# Altium PCB merci.PcbDoc
Units mm, origin at the board's own origin, x right, y up, seen from the top; angles counter-clockwise.
Board outline 30 x 58 mm, 2 copper layers (Top Layer, Bottom Layer); 60 components, 50 nets, 240 pads, 81 vias.
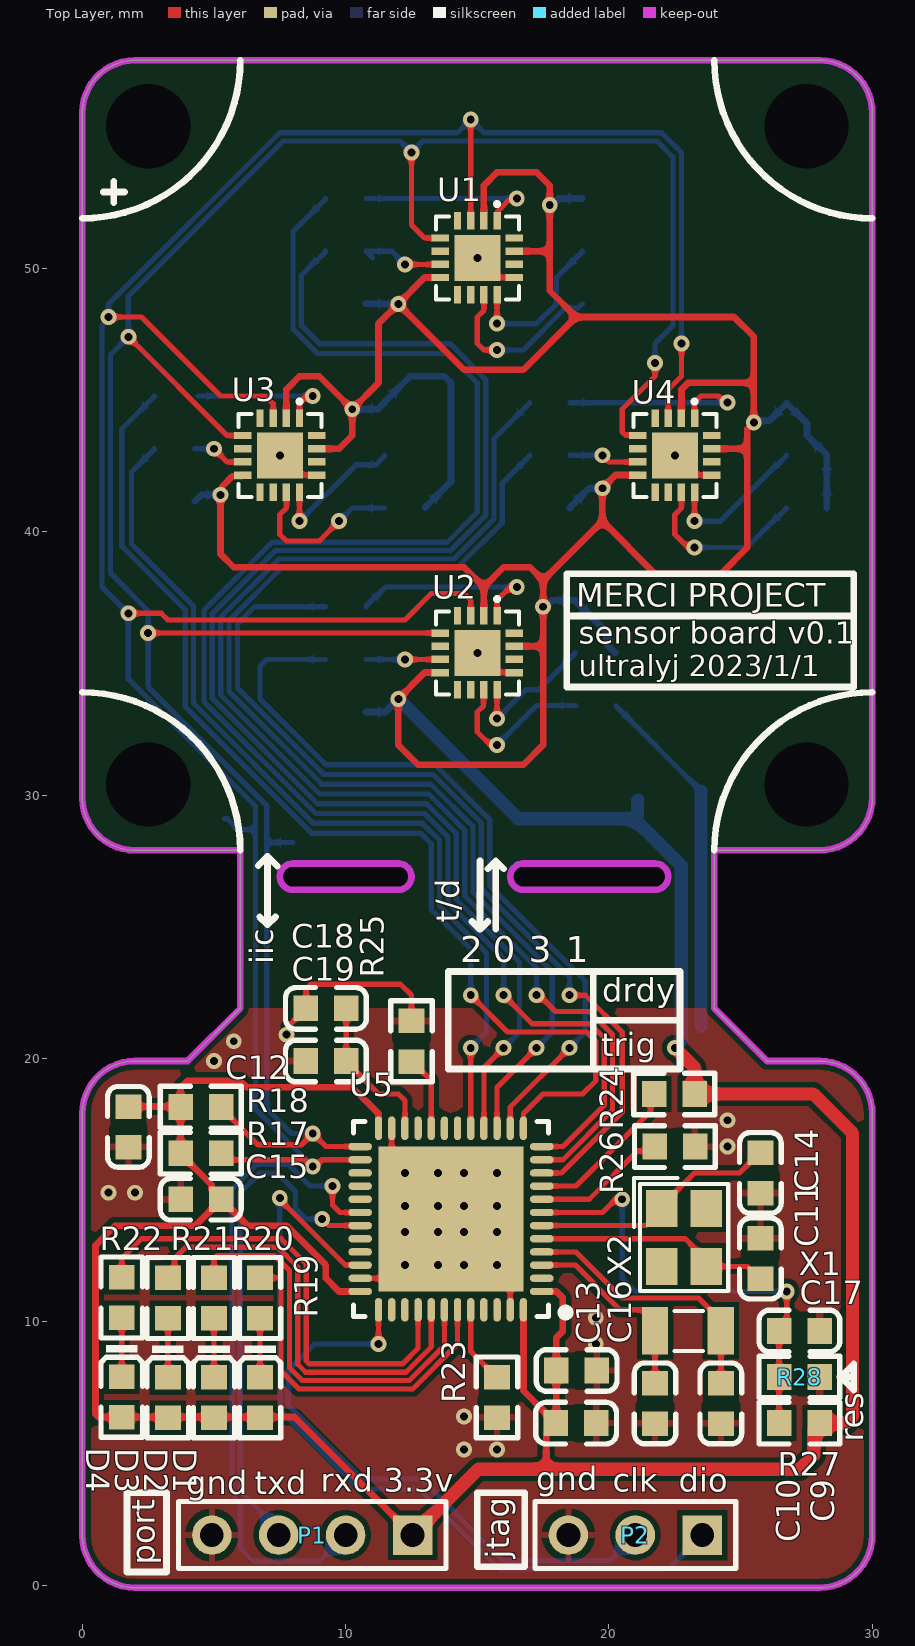
[diagram p0: Top Layer view]
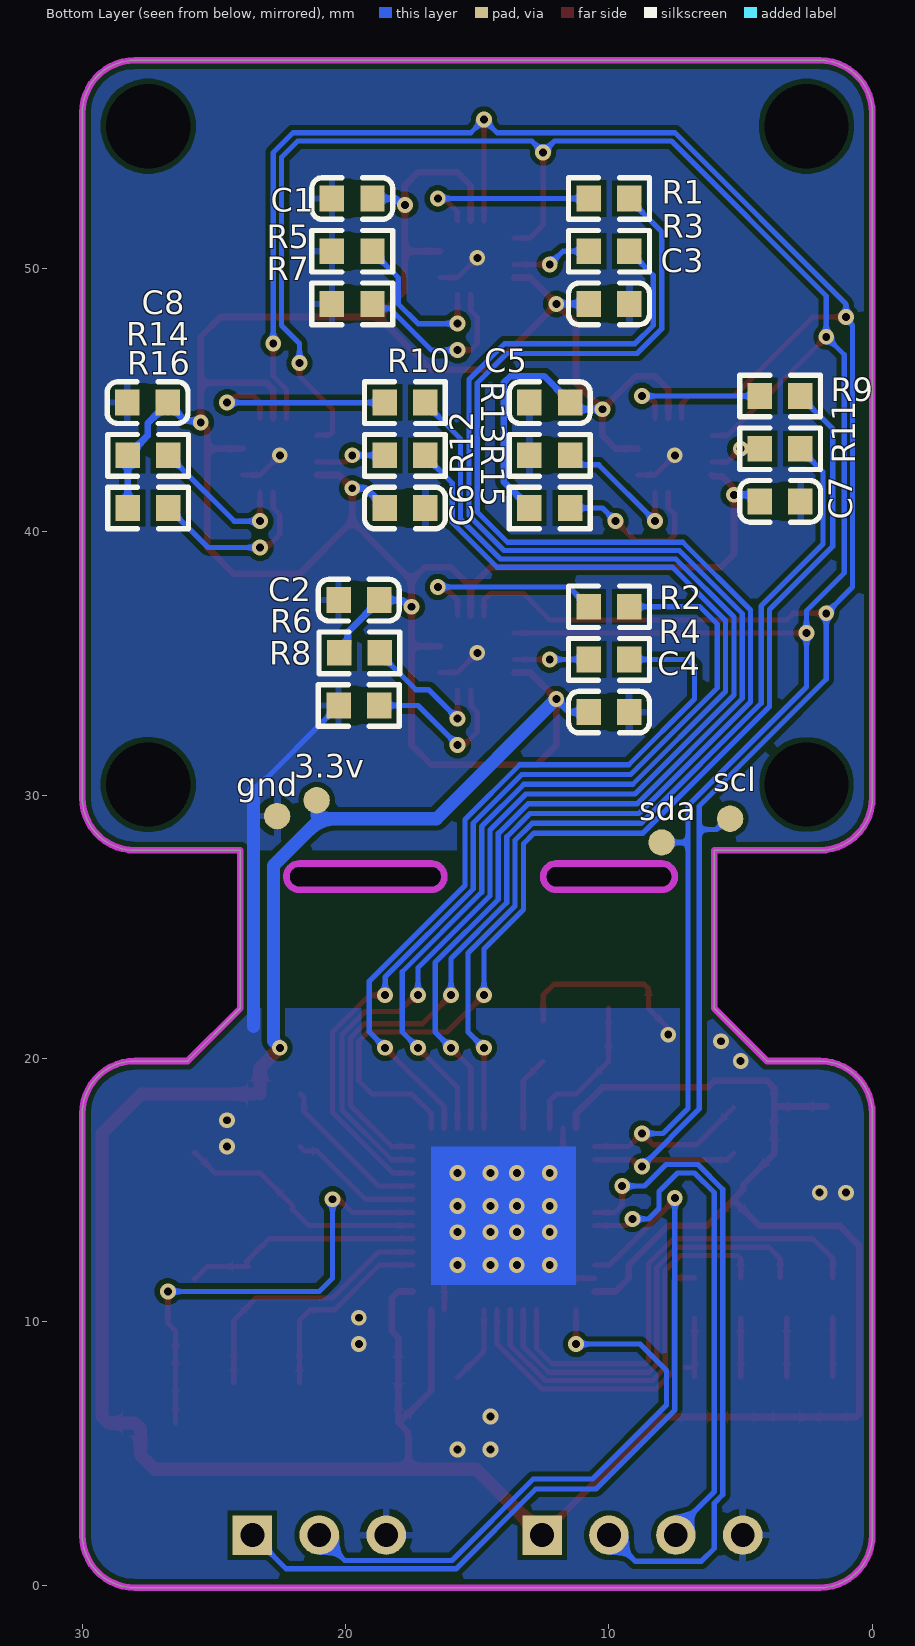
[diagram p1: Bottom Layer view, seen from below]
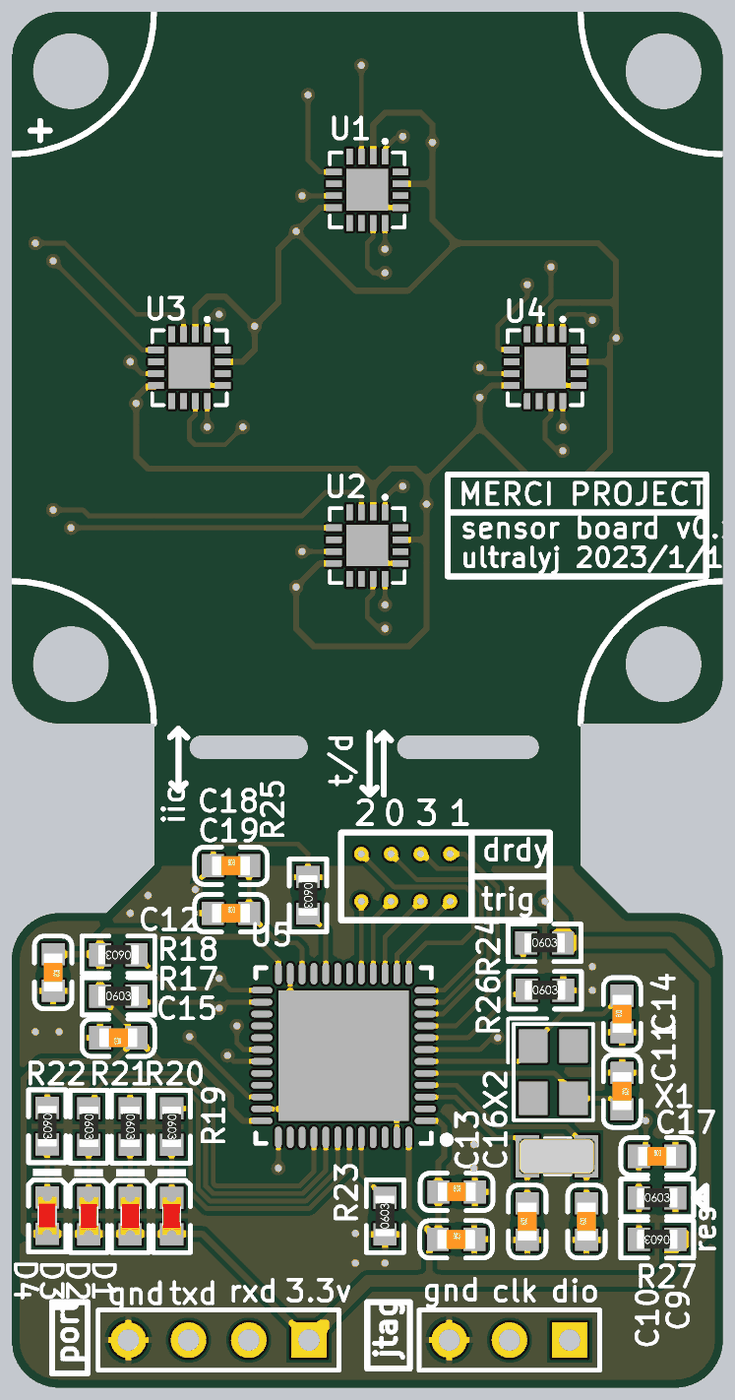
[diagram p2: 3D render of the assembled board from above, using the file's embedded part models]
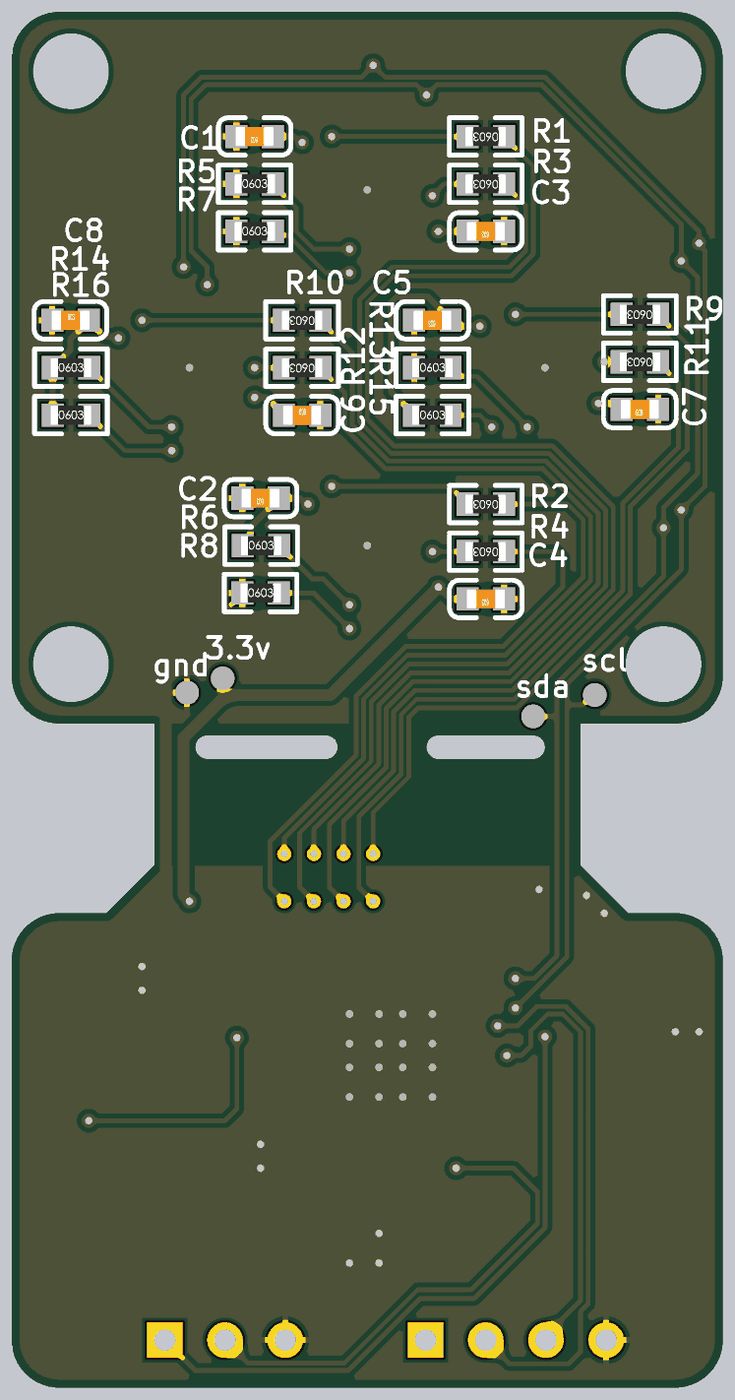
[diagram p3: 3D render of the assembled board from below, using the file's embedded part models]

## Layer stack, top to bottom
Top Solder: solder mask 0.0102, Solder Resist, Dk 3.5
Top Layer: signal copper 0.0356
Dielectric 1: dielectric 0.32, FR-4, Dk 4.8
Bottom Layer: signal copper 0.0356
Bottom Solder: solder mask 0.0102, Solder Resist, Dk 3.5

## Board outline
2,-0.1 cw(c2,1.9) 0,1.9 0,17.9 cw(c2,17.9) 2,19.9 4,19.9 6,21.9 6,27.9 2,27.9 cw(c2,29.9) 0,29.9 0,55.9 cw(c2,55.9) 2,57.9 28,57.9 cw(c28,55.9) 30,55.9 30,29.9 cw(c28,29.9) 28,27.9 24,27.9 24,21.9 26,19.9 28,19.9 cw(c28,17.9) 30,17.9 30,1.9 cw(c28,1.9) 28,-0.1
cut-out: 16.75,26.4 cw(c16.75,26.9) 16.75,27.4 21.75,27.4 cw(c21.75,26.9) 21.75,26.4
cut-out: 8,26.4 cw(c8,26.9) 8,27.4 12,27.4 cw(c12,26.9) 12,26.4

## Design rules (kind name [scope] priority, off if disabled: settings)
Clearance [All] p1: gap=0.2 ignorepadtopadclearanceinfootprint=TRUE except(0.117: Arc-Arc Arc-Track Arc-SMDPad Arc-THPad Arc-Text Arc-Hole Track-Track Track-SMDPad Track-THPad Track-Text Track-Hole SMDPad-SMDPad SMDPad-THPad SMDPad-Text SMDPad-Hole THPad-THPad THPad-Text THPad-Hole Fill-Text Fill-Hole Poly-Text Poly-Hole Region-Text Region-Hole Text-Text Text-Hole)
HoleSize [All] p1: absolutevalues=TRUE maxlimit=5 minlimit=0.025 maxpercent=80.000 minpercent=20.000
MinimumSolderMaskSliver [All] p1: minsoldermaskwidth=0
PolygonConnect [All] p1: thpad.connectstyle=Relief thpad.reliefconductorwidth=0.254 thpad.reliefentries=4 thpad.polygonreliefangle="90 Angle" thpad.airgapwidth=0.254 smdpad.connectstyle=Relief smdpad.reliefconductorwidth=0.254 smdpad.reliefentries=4 smdpad.polygonreliefangle="90 Angle" smdpad.airgapwidth=0.254 via.connectstyle=Direct via.reliefconductorwidth=0.254 via.reliefentries=4 via.polygonreliefangle="90 Angle" via.airgapwidth=0.254
RoutingVias [All] p1: holewidth=0.3 width=0.6 viastyle="Through Hole" minholewidth=0.3 minwidth=0.6 maxholewidth=0.3 maxwidth=0.6
SilkToSilkClearance [All] p1: silktosilkclearance=0
SilkToSolderMaskClearance [IsPad] p1: minsilkscreentomaskgap=0 clearancetoexposedcopper=TRUE
SolderMaskExpansion [All] p1: expansion=0.102 istentingtop=FALSE
Width [All] p1: maxlimit=0.5 minlimit=0.102 preferedwidth=0.2
26 further rules are at their usual default settings.

## Classes and differential pairs
component class merci_proc: C9 C10 C11 C12 C13 C14 C15 C16 C17 C18 C19 D2 D3 D4 gg P1 P2 R19 R20 R21 R22 R23 R24 R25 R26 R27 R28 U5 X1 X2
component class merci_main: C1 C2 C3 C4 C5 C6 C7 C8 R1 R2 R3 R4 R5 R6 R7 R8 R9 R10 R11 R12 R13 R14 R15 R16 R17 R18 U1 U2 U3 U4

## Components (designator, comment, footprint, x,y, rotation, side; value= is the part's Value field where it differs from the comment)
C1 "100nF (104) 10% 50V" LC-0603_C 19.75,52.65 r0 bottom
C2 "100nF (104) 10% 50V" LC-0603_C 19.5,37.4 r0 bottom
C3 "100nF (104) 10% 50V" LC-0603_C 10,48.65 r0 bottom
C4 "100nF (104) 10% 50V" LC-0603_C 10,33.15 r0 bottom
C5 "100nF (104) 10% 50V" LC-0603_C 12.25,44.9 r0 bottom
C6 "100nF (104) 10% 50V" LC-0603_C 17.75,40.9 r180 bottom
C7 "100nF (104) 10% 50V" LC-0603_C 3.5,41.15 r0 bottom
C8 "100nF (104) 10% 50V" LC-0603_C 27.52,44.9 r180 bottom
C9 "10pF (100) 5% 50V" LC-0603_C 24.25,6.9 r90 top
C10 "10pF (100) 5% 50V" LC-0603_C 21.75,6.9 r90 top
C11 "10pF (100) 5% 50V" LC-0603_C 25.75,12.4 r270 top
C12 "100nF (104) 10% 50V" LC-0603_C 1.75,17.4 r270 top
C13 "100nF (104) 10% 50V" LC-0603_C 18.77,8.15 r0 top
C14 "10pF (100) 5% 50V" LC-0603_C 25.75,15.65 r90 top
C15 "100nF (104) 10% 50V" LC-0603_C 4.5,14.65 r180 top
C16 "100nF (104) 10% 50V" LC-0603_C 18.75,6.15 r0 top
C17 "100nF (104) 10% 50V" LC-0603_C 27.23,9.65 r0 top
C18 "2.2uF (225) 10% 16V" LC-0603_C 9.25,21.9 r0 top
C19 "2.2uF (225) 10% 16V" LC-0603_C 9.25,19.9 r0 top
D1 "白灯 0603" LC-0603_LED_S1 6.75,7.13 r270 top
D2 "白灯 0603" LC-0603_LED_S1 5,7.13 r270 top
D3 "白灯 0603" LC-0603_LED_S1 3.25,7.13 r270 top
D4 "白灯 0603" LC-0603_LED_S1 1.5,7.15 r270 top
P1 "Header 4" HDR1X4 8.73,1.9 r180 top
P2 "Header 3" HDR1X3 21,1.9 r180 top
R1 "0Ω (0R0) ±1%" LC-0603_R 10,52.65 r0 bottom
R2 "0Ω (0R0) ±1%" LC-0603_R 10,37.15 r0 bottom
R3 "0Ω (0R0) ±1%" LC-0603_R 10,50.65 r0 bottom
R4 "0Ω (0R0) ±1%" LC-0603_R 10,35.15 r0 bottom
R5 "10KΩ (1002) ±1%" LC-0603_R 19.75,50.65 r180 bottom
R6 "10KΩ (1002) ±1%" LC-0603_R 19.48,35.4 r180 bottom
R7 "10KΩ (1002) ±1%" LC-0603_R 19.75,48.65 r180 bottom
R8 "10KΩ (1002) ±1%" LC-0603_R 19.5,33.4 r180 bottom
R9 "0Ω (0R0) ±1%" LC-0603_R 3.5,45.15 r0 bottom
R10 "0Ω (0R0) ±1%" LC-0603_R 17.75,44.9 r0 bottom
R11 "0Ω (0R0) ±1%" LC-0603_R 3.5,43.15 r0 bottom
R12 "0Ω (0R0) ±1%" LC-0603_R 17.75,42.9 r0 bottom
R13 "10KΩ (1002) ±1%" LC-0603_R 12.25,42.9 r180 bottom
R14 "10KΩ (1002) ±1%" LC-0603_R 27.5,42.9 r180 bottom
R15 "10KΩ (1002) ±1%" LC-0603_R 12.25,40.9 r180 bottom
R16 "10KΩ (1002) ±1%" LC-0603_R 27.5,40.9 r180 bottom
R17 "10KΩ (1002) ±1%" LC-0603_R 4.5,16.4 r0 top
R18 "10KΩ (1002) ±1%" LC-0603_R 4.5,18.15 r180 top
R19 "10KΩ (1002) ±1%" LC-0603_R 6.75,10.9 r270 top
R20 "10KΩ (1002) ±1%" LC-0603_R 5,10.9 r270 top
R21 "10KΩ (1002) ±1%" LC-0603_R 3.25,10.9 r270 top
R22 "10KΩ (1002) ±1%" LC-0603_R 1.5,10.92 r270 top
R23 "10KΩ (1002) ±1%" LC-0603_R 15.75,7.13 r90 top
R24 "0Ω (0R0) ±1%" LC-0603_R 22.48,18.65 r0 top
R25 "10KΩ (1002) ±1%" LC-0603_R 12.5,20.65 r270 top
R26 "0Ω (0R0) ±1%" LC-0603_R 22.5,16.65 r0 top
R27 "10KΩ (1002) ±1%" LC-0603_R 27.23,6.15 r180 top
R28 "100KΩ (1003) ±1%" LC-0603_R 27.23,7.9 r0 top
U1 "MLX90393ELW-ABA-011-SP" QFN-16_L3.0-W3.0-P0.50-TR-EP1.7 15,50.4 r0 top locked
U2 "MLX90393ELW-ABA-011-SP" QFN-16_L3.0-W3.0-P0.50-TR-EP1.7 15,35.4 r0 top locked
U3 "MLX90393ELW-ABA-011-SP" QFN-16_L3.0-W3.0-P0.50-TR-EP1.7 7.5,42.9 r0 top locked
U4 "MLX90393ELW-ABA-011-SP" QFN-16_L3.0-W3.0-P0.50-TR-EP1.7 22.5,42.9 r0 top locked
U5 "STM32F411CEU6" "UFQFPN-48_L7.0-W7.0-P0.50-BL-EP - duplicate" 14,13.9 r90 top
X1 "FC-135 32.7680KA-A0" CRYSTAL-SMD_L3.2-W1.5-FC-135R32.7680KF-A3 23,9.65 r0 top
X2 "8MHz" CRYSTAL-SMD_4P-L3.2-W2.5-BL 22.85,13.2 r270 top

## Footprints (in the part's own frame and the unit in brackets; to place one, negate y for a bottom-side part, rotate by r counter-clockwise, add the part's x,y. Pads: shape width x height; smd on the part's side, far side on the other; paste and mask are expansions set on the pad)
CRYSTAL-SMD_4P-L3.2-W2.5-BL [mm]
  rect 1.4x1.2 smd: 1(-1.1,-0.85) 2(1.1,-0.85) 3(1.1,0.85) 4(-1.1,0.85)
  silkscreen extent -2.26,-1.91 2.03,1.68, body extent -1.55,-1.25 1.65,1.25, height 0.6
CRYSTAL-SMD_L3.2-W1.5-FC-135R32.7680KF-A3 [mm]
  rect 1x1.8 smd: 1(-1.25,0) 2(1.25,0)
  silkscreen extent -0.51,-0.76 0.57,0.76, body extent -1.6,-0.75 1.6,0.75, height 0.9
HDR1X3 [mm] "Connector; Header; 3 Position"
  rect 1.5x1.5 hole 0.9: 1(-2.54,0)
  round 1.5 hole 0.9: 2(0,0) 3(2.54,0)
  silkscreen extent -3.81,-1.27 3.81,1.27, body extent -3.78,-1.24 3.84,1.3, height 8.6
HDR1X4 [mm] "Connector; Header; 4 Position"
  rect 1.5x1.5 hole 0.9: 1(-3.81,0)
  round 1.5 hole 0.9: 2(-1.27,0) 3(1.27,0) 4(3.81,0)
  silkscreen extent -5.08,-1.27 5.08,1.27, body extent -5.08,-1.27 5.08,1.27, height 8.6
LC-0603_C [mm]
  rect 0.93x0.98 smd: 1(-0.77,0) 2(0.77,0)
  silkscreen extent -1.53,-0.79 1.54,0.79, body extent -0.8,-0.4 0.8,0.4, height 0.3
LC-0603_LED_S1 [mm]
  rect 0.93x0.98 smd: A(0.77,0) K(-0.77,0)
  silkscreen extent -1.98,-0.79 1.54,0.79, body extent -0.8,-0.4 0.8,0.4, height 0.6
LC-0603_R [mm]
  rect 0.93x0.98 smd: 1(-0.77,0) 2(0.77,0)
  silkscreen extent -1.53,-0.79 1.54,0.79, body extent -0.85,-0.4 0.85,0.4, height 0.56
QFN-16_L3.0-W3.0-P0.50-TR-EP1.7 [mm]
  rect 0.28x0.665 smd: 1(0.75,1.407) 2(0.25,1.407) 3(-0.25,1.407) 4(-0.75,1.407) 9(-0.75,-1.407) 10(-0.25,-1.407) 11(0.25,-1.407) 12(0.75,-1.407)
  rect 0.665x0.28 smd: 5(-1.407,0.75) 6(-1.407,0.25) 7(-1.407,-0.25) 8(-1.407,-0.75) 13(1.407,-0.75) 14(1.407,-0.25) 15(1.407,0.25) 16(1.407,0.75)
  rect 1.75x1.75 smd: 17(0,0)
  silkscreen extent -1.58,-1.58 1.58,2.11, body extent -1.5,-1.5 1.5,1.5
"UFQFPN-48_L7.0-W7.0-P0.50-BL-EP - duplicate" [mm]
  oval 0.28x0.9 smd: 1(-2.751,-3.449) 2(-2.25,-3.449) 3(-1.75,-3.449) 4(-1.25,-3.449) 5(-0.749,-3.449) 6(-0.249,-3.449) 7(0.249,-3.449) 8(0.749,-3.449) 9(1.25,-3.449) 10(1.75,-3.449) 11(2.251,-3.449) 12(2.751,-3.449) 25(2.751,3.449) 26(2.251,3.449) 27(1.75,3.449) 28(1.25,3.449) 29(0.749,3.449) 30(0.249,3.449) 31(-0.249,3.449) 32(-0.749,3.449) 33(-1.25,3.449) 34(-1.75,3.449) 35(-2.25,3.449) 36(-2.751,3.449)
  oval 0.9x0.28 smd: 13(3.449,-2.751) 14(3.449,-2.25) 15(3.449,-1.75) 16(3.449,-1.25) 17(3.449,-0.749) 18(3.449,-0.249) 19(3.449,0.249) 20(3.449,0.749) 21(3.449,1.25) 22(3.449,1.75) 23(3.449,2.25) 24(3.449,2.751) 37(-3.449,2.751) 38(-3.449,2.25) 39(-3.449,1.75) 40(-3.449,1.25) 41(-3.449,0.749) 42(-3.449,0.249) 43(-3.449,-0.249) 44(-3.449,-0.749) 45(-3.449,-1.25) 46(-3.449,-1.75) 47(-3.449,-2.25) 48(-3.449,-2.751)
  rect 5.5x5.5 smd: 49(0,0)
  silkscreen extent -3.7,-4.5 3.7,3.7, body extent -3.48,-3.48 3.54,3.54, height 0.78

## Part data
C1 C2 C3 C4 C5 C6 C7 C8 C12 C13 C15 C16 C17: library part "0603 100nF (104) 10% 50V", "贴片电容", Package=0603, SuppliersPartNumber=C14663, ComponentLink1Description=供应商链接, ComponentLink1URL=http://www.szlcsc.com/product/details_15331.html, Supplier=LC
C9 C10 C11 C14: library part "0603 10pF (100) 5% 50V", "贴片电容", Package=0603, SuppliersPartNumber=C1634, ComponentLink1Description=供应商链接, ComponentLink1URL=http://www.szlcsc.com/product/details_1986.html, Supplier=LC
C18 C19: library part "0603 2.2uF (225) 10% 16V", "贴片电容", Package=0603, SuppliersPartNumber=C23630, ComponentLink1Description=供应商链接, ComponentLink1URL=http://www.szlcsc.com/product/details_24366.html, Supplier=LC
D1 D2 D3 D4: library part "0603 白灯", "发光二极管", Package=0603, SuppliersPartNumber=C2290, ComponentLink1Description=供应商链接, ComponentLink1URL=http://www.szlcsc.com/product/details_2663.html, Supplier=LC
P1: "Header, 4-Pin", LatestRevisionDate=17-Jul-2002, LatestRevisionNote="Re-released for DXP Platform.", Publisher="Altium Limited"
P2: "Header, 3-Pin", LatestRevisionDate=17-Jul-2002, LatestRevisionNote="Re-released for DXP Platform.", Publisher="Altium Limited"
R1 R2 R3 R4 R9 R10 R11 R12 R24 R26: library part "0603 0Ω (0R0) 1%", "贴片电阻", Package=0603, SuppliersPartNumber=C21189, ComponentLink1Description=供应商链接, ComponentLink1URL=http://www.szlcsc.com/product/details_21903.html, Supplier=LC
R5 R6 R7 R8 R13 R14 R15 R16 R17 R18 R19 R20 R21 R22 R23 R25 R27: library part "0603 10KΩ (1002) 1%", "贴片电阻", Package=0603, SuppliersPartNumber=C25804, ComponentLink1Description=供应商链接, ComponentLink1URL=http://www.szlcsc.com/product/details_26547.html, Supplier=LC
R28: library part "0603 100KΩ (1003) 1%", "贴片电阻", Package=0603, SuppliersPartNumber=C25803, ComponentLink1Description=供应商链接, ComponentLink1URL=http://www.szlcsc.com/product/details_26546.html, Supplier=LC
U1 U2 U3 U4: BOM_JLCPCB Part Class="Extended Part", BOM_Manufacturer=Melexis(比利时迈来芯), BOM_Manufacturer Part=MLX90393ELW-ABA-011-SP, BOM_Supplier=LCSC, BOM_Supplier Part=C1526586, Contributor=LCSC, spicePre=U, spiceSymbolName=MLX90393ELW-ABA-011-SP
U5: BOM_JLCPCB Part Class="Extended Part", BOM_Manufacturer=ST(意法半导体), BOM_Manufacturer Part=STM32F411CEU6, BOM_Supplier=LCSC, BOM_Supplier Part=C60420, spicePre=U, spiceSymbolName=STM32F411CEU6
X1: BOM_Manufacturer=EPSON(爱普生), BOM_Manufacturer Part="FC-135 32.7680KA-A0", BOM_Supplier=LCSC, BOM_Supplier Part=C2650444, Contributor=lcsc, link=https://atta.szlcsc.com/upload/public/pdf/source/20211127/C2650444_3DEB46927A758E75F8CF3F6FA0A6BD9B.pdf, spicePre=X, spiceSymbolName="FC-135 32.7680KA-A0"
X2: BOM_Manufacturer=JWT(晶威特), BOM_Manufacturer Part=CF4008M00012T8188031, BOM_Supplier=LCSC, BOM_Supplier Part=C2933033, Contributor=LCSC, nameAlias=Frequency, spicePre=X, spiceSymbolName=CF4008M00012T8188031

## Free pads (board coordinates)
  round 1 hole 3.2 unplated: 3(2.5,30.4) 3(2.5,55.4) 3(27.5,30.4) 3(27.5,55.4)
  round 1 smd far side: 6(5.4,29.1) 7(8,28.2) 8(21.1,29.8) 9(22.6,29.2)

## Via types
v1: diameter 0.6, hole 0.3, Top Layer to Bottom Layer, tented both sides, 73 vias
v2: diameter 0.6, hole 0.3, Top Layer to Bottom Layer, 8 vias

## Nets (pads, with @x,y where several pads share a name; then routed paths per layer and width w, separated by ;. In a path a pad name is that pad's centre, name@x,y a point inside that pad or via, vN(x,y) a via of type N, cw(c..) or ccw(c..) an arc to the next point about the centre after c; other vN are vias at no path point)
BOOT0: R23.2 U5.44 | length 3
  Top Layer w0.2: U5.44 14.749,8.876 14.808,8.817 15.725,7.9 R23.2
BOOT1: R25.2 U5.20 | length 2.9
  Top Layer w0.2: R25.2 12.525,19.88 13.251,19.154 U5.20
GND: C1.2 C2.2 C3.1 C4.1 C5.2 C6.2 C7.1 C8.1 C9.1 C10.1 C11.1 C12.2 C13.2 C14.1 C15.2 C16.2 C17.2 C18.1 C19.1 P1.4 P2.3 pad.9 R5.1 R7.1 R8.1 R13.1 R23.1 R25.1 R26.2 R28.2 U1.13 U1.17 U2.13 U2.17 U3.13 U3.17 U4.13 U4.17 U5.23 U5.35 U5.47 U5.49 | length 40.8
  Top Layer w0.2: v1(7.5,42.9) 8.248,42.152 8.905,42.152 U3.13 ; v1(7.75,20.9) 7.827,20.977 7.827,21.222 8.48,21.875 C18.1 8.5,21.92 8.5,22.65 8.667,22.817 12.083,22.817 12.5,22.4 R25.1 ; U5.35 11.75,11.65 U5.49 ; U5.23 11.75,16.151 U5.49 ; v1(15,35.4) 15.748,34.652 16.405,34.652 U2.13 ; v1(15,50.4) 15.748,49.652 16.405,49.652 U1.13 ; U5.47 16.25,11.65 U5.49 ; v1(22.5,42.9) 23.248,42.152 23.905,42.152 U4.13
  Bottom Layer w0.2: R8.1 20.27,33.375 23.5,30.145 ; 23.5,28.2 23.5,28.3
  Bottom Layer w0.5: 23.5,21.214 23.5,28.2 ; 23.5,28.3 23.5,30.145
  other v1: 14.5,5.15 15.75,5.15 14.5,6.4 19.5,9.15 19.5,10.15 12.25,12.15 13.5,12.15 14.5,12.15 15.75,12.15 12.25,13.4 13.5,13.4 14.5,13.4 15.75,13.4 12.25,14.4 13.5,14.4 14.5,14.4 15.75,14.4 1,14.9 2,14.9 12.25,15.65 13.5,15.65 14.5,15.65 15.75,15.65 24.5,16.65 24.5,17.65 5,19.9 5.75,20.65
I2C0_SCL: pad.6 R17.2 U1.3 U2.3 U3.3 U4.3 U5.26 | length 104.7
  Top Layer w0.2: v1(1,48.15) 2.25,48.15 5.25,45.15 6.954,45.15 7.25,44.854 U3.3 ; v1(1.75,36.9) 3,36.9 3.25,36.65 12.25,36.65 13.25,37.65 14.5,37.65 14.75,37.4 U2.3 ; R17.2 5.52,16.15 8.433,16.15 8.683,15.9 v1(8.75,15.9) ; v1@8.858,15.9 9.108,16.15 U5.26@10.55,16.15 ; U1.3 v1(14.75,55.65) ; U4.3 22.25,45.4 22.75,45.9 v1(22.75,47.15)
  Bottom Layer w0.2: pad.6 5.505,29.1 5.917,28.688 6.575,28.688 ; v1(8.75,15.9) 6.575,18.075 6.575,28.688 ; v1(22.75,47.15) 22.75,54.4 22,55.15 15.25,55.15 v1(14.75,55.65) 14.25,55.15 7.5,55.15 1,48.65 1,48.083 0.75,47.833 0.75,37.9 v1(1.75,36.9) 1.75,34.4 6.575,29.575 6.575,28.688
I2C0_SDA: pad.7 R18.1 U1.5 U2.5 U3.5 U4.5 U5.25 | length 99.7
  Top Layer w0.2: v1(1.75,47.4) 5.5,43.65 U3.5 ; v1(2.5,36.15) U2.5 ; R18.1 5.27,18.125 6.678,16.717 8.317,16.717 v1(8.75,17.15) 9.249,16.651 U5.25 ; v1(12.5,54.4) 12.5,51.65 13,51.15 U1.5 ; U4.5 21.071,43.671 20.617,43.671 20.5,43.789 20.5,44.65 21.75,45.9 v1(21.75,46.4)
  Bottom Layer w0.2: pad.7 7,28.2 ; v1(8.75,17.15) 7.948,17.15 7,18.098 7,28.2 ; v1(21.75,46.4) 21.75,47.15 22.433,47.833 22.433,54.217 21.817,54.833 12.933,54.833 v1(12.5,54.4) 12.067,54.833 7.631,54.833 1.75,48.952 v1(1.75,47.4) 1.067,46.717 1.067,38.432 2.5,36.999 v1(2.5,36.15) 2.5,34.098 7,29.598 7,28.2
MAG0_A0: R5.2 U1.12 | length 6.1
  Top Layer w0.2: v1(15.75,47.9) 15.75,48.15 U1.12
  Bottom Layer w0.2: v1(15.75,47.9) 17.25,47.9 18,48.65 18,49.645 18.98,50.625 R5.2
MAG0_A1: R7.2 U1.11 | length 6.8
  Top Layer w0.2: U1.11 15.25,48.4 15,48.15 15,47.15 15.25,46.9 v1(15.75,46.9)
  Bottom Layer w0.2: v1(15.75,46.9) 16.75,46.9 18.332,48.482 18.812,48.482 R7.2
MAG0_INT: R1.1 U5.12 | length 62
  Top Layer w0.2: v2(16,22.4) 17.083,21.317 19.281,21.317 19.817,20.781 19.817,18.217 18.251,16.651 U5.12
  Bottom Layer w0.2: R1.1 9.23,52.625 8,51.395 8,47.702 8.932,46.77 13.88,46.77 15,45.65 15,40.745 13.856,39.601 7.201,39.601 4.623,37.023 4.623,33.536 8.863,29.295 13.002,29.295 13.884,28.413 13.884,25.913 16,23.797 v2(16,22.4)
MAG0_TRIG: R3.1 U5.16 | length 55.5
  Top Layer w0.2: U5.16 15.25,19.65 v2(16,20.4)
  Bottom Layer w0.2: R3.1 9.23,50.625 8.865,50.26 8.84,50.26 8.317,49.737 8.317,47.833 9.009,47.141 13.957,47.141 15.317,45.781 15.317,40.614 13.987,39.284 7.332,39.284 4.94,36.892 4.94,33.667 8.941,29.666 13.079,29.666 14.201,28.544 14.201,26.044 16.6,23.645 16.6,21 v2(16,20.4)
MAG1_A0: R6.2 U2.12 | length 5.1
  Top Layer w0.2: v1(15.75,32.9) U2.12
  Bottom Layer w0.2: v1(15.75,32.9) 16.852,34.002 17.337,34.002 18.71,35.375 R6.2
MAG1_A1: R8.2 U2.11 | length 6.3
  Top Layer w0.2: U2.11 15.237,33.98 15.237,33.387 15,33.15 15,32.4 15.52,31.88 15.73,31.88 v1(15.75,31.9)
  Bottom Layer w0.2: v1(15.75,31.9) 17.25,33.4 R8.2@18.75,33.4
MAG1_INT: R2.1 U5.10 | length 35
  Top Layer w0.2: U5.10 U5.10 18.199,15.651 20.5,17.952 20.5,20.995 19.1,22.395 18.505,22.395 v2(18.5,22.4)
  Bottom Layer w0.2: R2.1 6.543,37.15 5.891,36.498 5.891,34.061 9.173,30.779 13.311,30.779 15.152,28.938 15.152,26.438 18.5,23.09 v2(18.5,22.4)
MAG1_TRIG: R4.1 U5.14 | length 28.9
  Top Layer w0.2: U5.14 16.25,18.15 v2(18.5,20.4)
  Bottom Layer w0.2: R4.1 7,35.15 6.75,34.9 6.75,33.65 9.25,31.15 13.388,31.15 15.469,29.069 15.469,26.569 19.1,22.938 19.1,21 v2(18.5,20.4)
MAG2_A0: R13.2 U3.12 | length 5.4
  Top Layer w0.2: v1(8.25,40.4) U3.12
  Bottom Layer w0.2: v1(8.25,40.4) 10.387,42.537 11.142,42.537 11.48,42.875 R13.2
MAG2_A1: R15.2 U3.11 | length 6.3
  Top Layer w0.2: U3.11 7.75,40.9 7.5,40.65 7.5,39.9 7.75,39.65 9,39.65 v1(9.75,40.4)
  Bottom Layer w0.2: v1(9.75,40.4) 10.25,40.9 R15.2
MAG2_INT: R9.1 U5.13 | length 42
  Top Layer w0.2: v2(14.75,22.4) 16.15,21 19.15,21 19.5,20.65 19.5,19.15 19,18.65 17.5,18.65 16.751,17.901 U5.13
  Bottom Layer w0.2: R9.1 2.73,45.125 1.5,43.895 1.5,39.452 3.906,37.046 3.906,33.356 8.709,28.553 12.847,28.553 13.25,28.15 13.25,25.65 14.75,24.15 v2(14.75,22.4)
MAG2_TRIG: R11.1 U5.17 | length 34.4
  Top Layer w0.2: U5.17 v2(14.75,20.4)
  Bottom Layer w0.2: R11.1 2.73,43.125 1.871,42.266 1.871,39.529 4.223,37.177 4.223,33.487 8.786,28.924 12.924,28.924 13.567,28.281 13.567,25.781 15.35,23.998 15.35,21 v2(14.75,20.4)
MAG3_A0: R14.2 U4.12 | length 5.6
  Top Layer w0.2: v1(23.25,40.4) U4.12
  Bottom Layer w0.2: v1(23.25,40.4) 24.23,40.4 26.367,42.537 26.392,42.537 26.73,42.875 R14.2
MAG3_A1: R16.2 U4.11 | length 6.8
  Top Layer w0.2: U4.11 22.75,40.9 22.5,40.65 22.5,39.9 23,39.4 v1(23.25,39.4)
  Bottom Layer w0.2: v1(23.25,39.4) 25.23,39.4 26.367,40.537 26.392,40.537 26.73,40.875 R16.2
MAG3_INT: R10.1 U5.11 | length 48.5
  Top Layer w0.2: v2(17.25,22.4) 17.358,22.4 17.974,21.784 19.263,21.784 20.134,20.913 20.134,18.034 18.251,16.151 U5.11
  Bottom Layer w0.2: R10.1 16.98,44.875 15.634,43.529 15.634,40.482 14.119,38.967 7.464,38.967 5.257,36.76 5.257,33.798 9.018,30.037 13.156,30.037 14.518,28.675 14.518,26.175 17.25,23.443 v2(17.25,22.4)
MAG3_TRIG: R12.1 U5.15 | length 42.6
  Top Layer w0.2: U5.15 15.75,18.9 v2(17.25,20.4)
  Bottom Layer w0.2: R12.1 16.98,42.875 15.951,41.846 15.951,40.351 14.25,38.65 7.595,38.65 5.574,36.629 5.574,33.93 9.095,30.408 13.234,30.408 14.835,28.807 14.835,26.307 17.85,23.292 17.85,21 v2(17.25,20.4)
NetC9_2: C9.2 U5.4 X1.2 | length 10.3
  Top Layer w0.2: U5.4 18.75,12.65 20.5,10.9 23.4,10.9 24.25,10.05 X1.2 C9.2
NetC10_2: C10.2 U5.3 X1.1 | length 7.6
  Top Layer w0.2: U5.3 18.723,12.15 20.423,10.45 21.35,10.45 21.75,10.05 X1.1 C10.2
NetC11_2: C11.2 U5.5 X2.3 | length 9
  Top Layer w0.2: U5.5 22.899,13.151 23.75,12.3 X2.3@23.75,12.2 ; X2.3 25.255,12.1 25.725,11.63 C11.2
NetC14_2: C14.2 U5.6 X2.1 | length 9.5
  Top Layer w0.2: U5.6 21.401,13.651 X2.1@22.025,14.275 ; X2.1 22,14.4 23.25,15.65 24.955,15.65 25.725,16.42 C14.2
NetC18_2: C18.2 C19.2 U5.22 | length 5.9
  Top Layer w0.2: C18.2 C19.2 10.02,19.875 11.245,18.65 12,18.65 12.25,18.4 U5.22
NetD1_K: D1.K R19.2 | length 2.6
  Top Layer w0.2: D1.K D1.K@6.75,8.225 ; R19.2 D1.K@6.75,8.225 ; D1.K@7.11,8.265 6.79,8.265 D1.K@6.75,8.225
NetD2_K: D2.K R20.2 | length 2.2
  Top Layer w0.2: D2.K R20.2
NetD3_K: D3.K R21.2 | length 2.2
  Top Layer w0.2: D3.K R21.2
NetD4_K: D4.K R22.2 | length 2.2
  Top Layer w0.2: D4.K R22.2
NetR1_2: R1.2 U1.1 | length 7
  Top Layer w0.2: U1.1 15.763,51.82 15.763,52.163 16.184,52.584 16.434,52.584 v1(16.5,52.65)
  Bottom Layer w0.2: R1.2 v1(16.5,52.65)
NetR2_2: R2.2 U2.1 | length 7.6
  Top Layer w0.2: U2.1 15.75,37.4 16.25,37.9 v1(16.5,37.9)
  Bottom Layer w0.2: R2.2 10.77,37.175 11.108,37.513 11.133,37.513 11.52,37.9 v1(16.5,37.9)
NetR3_2: R3.2 U1.7 | length 3.4
  Top Layer w0.2: v1(12.25,50.15) 13,50.15 U1.7
  Bottom Layer w0.2: R3.2@11.02,50.4 R3.2 11.75,50.65 v1(12.25,50.15)
NetR4_2: R4.2 U2.7 | length 2.8
  Top Layer w0.2: v1(12.25,35.15) 12.5,35.15 U2.7
  Bottom Layer w0.2: R4.2 v1(12.25,35.15)
NetR9_2: R9.2 U3.1 | length 5.6
  Top Layer w0.2: U3.1 8.25,44.9 8.5,45.15 v1(8.75,45.15)
  Bottom Layer w0.2: R9.2@4.394,45.15 v1(8.75,45.15)
NetR10_2: R10.2 U4.1 | length 8
  Top Layer w0.2: U4.1 23.25,44.9 23.5,45.15 24.156,45.15 24.406,44.9 v1(24.5,44.9)
  Bottom Layer w0.2: R10.2 v1(24.5,44.9)
NetR11_2: R11.2 U3.7 | length 2
  Top Layer w0.2: v1(5,43.15) 5.5,42.65 U3.7
  Bottom Layer w0.2: R11.2 v1(5,43.15)
NetR12_2: R12.2 U4.7 | length 2.7
  Top Layer w0.2: v1(19.75,42.9) 20,42.65 U4.7
  Bottom Layer w0.2: R12.2 v1(19.75,42.9)
NetR19_1: R19.1 U5.43 | length 13.3
  Top Layer w0.2: R19.1 7.432,11.67 7.549,11.553 7.549,8.123 8.223,7.449 12.549,7.449 14.249,9.149 U5.43
NetR20_1: R20.1 U5.42 | length 15.6
  Top Layer w0.2: R20.1 5,12.399 5.117,12.516 7.289,12.516 7.866,11.939 7.866,8.255 8.355,7.766 12.418,7.766 13.751,9.099 U5.42
NetR21_1: R21.1 U5.41 | length 16.6
  Top Layer w0.2: R21.1@3.5,11.69 3.5,12.4 3.933,12.833 7.42,12.833 8.183,12.07 8.183,8.386 8.486,8.083 12.286,8.083 13.251,9.047 U5.41
NetR22_1: R22.1 U5.40 | length 18.1
  Top Layer w0.2: R22.1 1.5,12.4 2.25,13.15 7.552,13.15 8.5,12.202 8.5,8.517 8.617,8.4 12.155,8.4 12.75,8.995 U5.40
NRST: C17.1 R27.2 R28.1 U5.7 | length 17.8
  Top Layer w0.2: U5.7 19.749,14.149 20.25,14.65 v1(20.5,14.65) ; R27.2 R28.1 C17.1 26.75,9.94 v1(26.75,11.15)
  Bottom Layer w0.2: v1(20.5,14.65) 20.5,11.65 21,11.15 v1(26.75,11.15)
SWCLK: P2.2 U5.37 | length 22.5
  Top Layer w0.2: v1@11.25,9.15 U5.37@11.25,10.45
  Bottom Layer w0.2: v1(11.25,9.15) 8.817,9.15 7.817,8.15 7.817,6.833 10.625,4.025 12.875,4.025 15.967,0.933 20.033,0.933 P2.2
SWDIO: P2.1 U5.34 | length 31.3
  Top Layer w0.2: v1(7.5,14.693) 7.5,14.636 9.986,12.15 U5.34
  Bottom Layer w0.2: v1(7.5,14.693) 7.5,6.65 10.5,3.65 12.782,3.65 15.816,0.616 22.256,0.616 P2.1
USART1_RXD: P1.2 U5.30 | length 24.8
  Top Layer w0.2: v1(9.5,15.15) 9.5,14.431 9.782,14.149 U5.30
  Bottom Layer w0.2: v1(9.5,15.15) 8.651,15.15 7.834,15.967 6.619,15.967 5.683,15.031 5.683,3.428 6,3.111 6,1.4 6.5,0.9 9,0.9 P1.2
USART1_TXD: P1.3 U5.31 | length 19.7
  Top Layer w0.2: v1(9.108,13.9) 9.357,13.651 U5.31
  Bottom Layer w0.2: P1.3 7.46,2.099 6,3.559 6,14.9 6.75,15.65 7.392,15.65 8.1,14.942 8.1,14.3 8.5,13.9 v1(9.108,13.9)
VCC_3V3: C1.1 C2.1 C3.2 C4.2 C5.1 C6.1 C7.2 C8.2 C12.1 C13.1 C15.1 C16.1 D1.A D2.A D3.A D4.A P1.1 pad.8 R6.1 R14.1 R15.1 R16.1 R17.1 R18.2 R24.2 R27.1 U1.2 U1.8 U1.15 U2.2 U2.8 U2.15 U3.2 U3.8 U3.15 U4.2 U4.8 U4.15 U5.1 U5.24 U5.36 U5.48 | length 247.9
  Top Layer w0.254: C12.1 3.71,18.17 R18.2 ; v1(5.25,41.4) 5.25,39.15 5.75,38.65 14.5,38.65 15.25,37.9 ; 5.327,41.727 5.71,42.11 6.053,42.11 U3.8 ; U3.2 7.75,45.4 8.25,45.9 9,45.9 v1(10.25,44.65) ; U3.15 9.75,43.15 10.25,43.65 v1(10.25,44.65) ; U5.36 9.751,11.149 9.251,11.649 9.251,12.149 7.75,13.65 6.27,13.65 5.633,14.287 5.608,14.287 C15.1@5.27,14.625 ; U5.24 11.249,17.901 10.25,18.9 6.25,18.9 6,19.15 4,19.15 3.73,18.88 R18.2 ; P1.1 8.06,6.38 D4.A 0.617,6.38 0.5,6.497 0.5,12.9 1.25,13.65 4.295,13.65 C15.1@5.27,14.625 ; U2.8 13,34.65 v1(12,33.65) 12,31.9 12.75,31.15 16.75,31.15 17.5,31.9 17.5,35.65 ; U1.8 13,49.65 v1(12,48.65) ; U2.2 15.25,37.9 ; U1.2 15.25,53.15 15.75,53.65 17.25,53.65 17.75,53.15 v1(17.75,52.4) 17.75,50.65 ; U2.15 17.5,35.65 ; U1.15 17.75,50.65 ; U5.48 16.751,7.379 17.59,6.54 17.615,6.54 17.98,6.175 C16.1 ; U5.1 18,11.15 18.25,10.9 18.25,9.65 18,9.4 C13.1 18,6.17 17.642,5.812 17.642,5.665 17.615,5.638 17.615,4.4 ; v1@17.5,36.9 17.5,35.65 ; v1(17.5,37.15) 17.5,38.15 ; U4.8 20.25,42.15 v1(19.75,41.65) 19.75,40.4 ; U4.2 22.75,45.4 23,45.65 25.5,45.65 ; R24.2 R24.2@23.5,18.65 ; U4.15 25.25,43.15 ; R18.2 R17.1 3.73,16.375 4.905,15.2 4.905,15.015 C15.1 C15.1@5.27,14.625 ; v1(10.25,44.65) 11.25,45.65 11.25,47.9 v1(12,48.65) ; v1(12,48.65) 14.5,46.15 16.75,46.15 18.75,48.15 ; 15.25,37.9 16,38.65 17,38.65 17.5,38.15 ; 17.5,38.15 19.75,40.4 ; 17.75,50.65 17.75,49.15 18.75,48.15 ; 18.75,48.15 24.75,48.15 25.5,47.4 25.5,45.65 ; 19.75,40.4 21.75,38.4 24.25,38.4 25.25,39.4 25.25,43.15 ; 25.25,43.15 25.25,43.9 v1(25.5,44.15) 25.5,45.65
  Top Layer w0.5: P1.1 15.04,4.4 17.615,4.4 27.25,4.4 27.785,4.935 27.785,5.935 R27.1 29,6.15 29.25,6.4 29.25,17.15 27.75,18.65 R24.2@23.5,18.65 ; v1(22.5,20.4) 23.25,19.65 R24.2
  Bottom Layer w0.254: C7.2 4.52,41.4 v1(5.25,41.4) ; v1(10.25,44.65) 11.23,44.65 C5.1 11.48,44.925 12.455,45.9 13.75,45.9 14,45.65 14,41.9 13.39,41.29 13.385,41.29 13.02,40.925 R15.1@13.02,40.92 ; C4.2 11.5,33.15 v1(12,33.65) ; C3.2 v1(12,48.65) ; v1(17.5,37.15) 17.594,37.15 17.844,37.4 C2.1 18.73,37.375 19.912,36.193 19.912,35.738 R6.1 ; v1(17.75,52.4) 17.844,52.4 18.094,52.65 C1.1 ; C6.1 18.52,40.925 19.245,41.65 v1(19.75,41.65) ; v1(25.5,44.15) 25.566,44.216 26.091,44.216 C8.2@26.75,44.875 ; C8.2 C8.2@26.75,44.875 ; R16.1 R14.1 28.27,42.925 27.905,43.29 27.88,43.29 27.52,43.65 27.52,44.105 C8.2@26.75,44.875
  Bottom Layer w0.5: v1(12,33.65) 16.55,29.1 20.956,29.1 ; pad.8 21.081,29.781 21.081,29.225 20.956,29.1 ; v1(22.5,20.4) 22.5,20.427 22.744,20.671 22.744,27.312 20.956,29.1
VDDA: R24.1 U5.9 | length 6
  Top Layer w0.2: U5.9 18.75,15.15 21.577,17.977 21.577,18.517 R24.1
VSSA: R26.1 U5.8 | length 5.1
  Top Layer w0.2: U5.8 19.249,14.649 21.082,16.482 21.562,16.482 R26.1
pads on no net: U1.4 U1.6 U1.9 U1.10 U1.14 U1.16 U2.4 U2.6 U2.9 U2.10 U2.14 U2.16 U3.4 U3.6 U3.9 U3.10 U3.14 U3.16 U4.4 U4.6 U4.9 U4.10 U4.14 U4.16 U5.2 U5.18 U5.19 U5.21 U5.27 U5.28 U5.29 U5.32 U5.33 U5.38 U5.39 U5.45 U5.46 X2.2 X2.4

## Polygon pours and split planes (outlines as drawn)
GND on Bottom Layer "GND_L02_P002" (solid, remove dead copper, pour order 2): 6,21.9 4,19.9 0.75,19.9 0,19.15 0,0.9 1,-0.1 29,-0.1 30,0.9 30,19.15 29.25,19.9 26,19.9 24,21.9
GND on Bottom Layer "GND_L02_P000" (solid, pour order 0): 1.6,58 -0.2,56.6 -0.25,27.9 29,27.9 30.5,29.4 30.5,57.65 29.75,58.4
GND on Top Layer "GND_L01_P001" (solid, remove dead copper, pour order 1): 6,21.9 4,19.9 0.75,19.9 0,19.15 0,0.9 1,-0.1 29,-0.1 30,0.9 30,19.15 29.25,19.9 26,19.9 24,21.9

## Keep-outs
Keep-Out Layer:
  lines w0.254: 0,1.9 ccw(c2,1.9) 2,-0.1 28,-0.1 ccw(c28,1.9) 30,1.9 30,17.9 ccw(c28,17.9) 28,19.9 26,19.9 24,21.9 24,27.9 28,27.9 ccw(c28,29.9) 30,29.9 30,55.9 ccw(c28,55.9) 28,57.9 2,57.9 ccw(c2,55.9) 0,55.9 0,29.9 ccw(c2,29.9) 2,27.9 6,27.9 6,21.9 4,19.9 2,19.9 ccw(c2,17.9) 0,17.9 0,1.9 ; 8,26.4 cw(c8,26.9) 8,27.4 9,27.4 12,27.4 cw(c12,26.9) 12,26.4 8,26.4 ; 16.75,26.4 cw(c16.75,26.9) 16.75,27.4 17.75,27.4 21.75,27.4 cw(c21.75,26.9) 21.75,26.4 16.75,26.4

## Other copper
Bottom Layer:
  rectangle net GND: 11.25,11.4 16.75,16.65

## Silkscreen, mask and mechanical layers (free items; w line width, h text height)
Top Overlay:
  lines w0.254: 0,33.9 cw(c0,27.9) 6,27.9 ; 0,51.9 ccw(c0,57.9) 6,57.9 ; 0.8,52.9 1.6,52.9 ; 1.2,52.5 1.2,53.3 ; 6.681,27.319 7.035,27.673 ; 6.735,25.373 7.035,25.073 ; 7.335,25.373 7.035,25.073 ; 7.404,27.304 7.035,27.673 ; 14.8,25.2 15.1,24.9 ; 15.1,27.5 15.1,24.9 ; 15.4,25.2 15.1,24.9 ; 16,27.2 15.7,27.5 ; 24,27.9 cw(c30,27.9) 30,33.9 ; 24,57.9 ccw(c30,57.9) 30,51.9 ; 29.3,7.9 28.765,7.9 ; 7.035,25.073 7.035,27.673 ; 15.7,27.5 15.4,27.2 15.7,27.5 ; 15.7,27.5 15.7,24.9 15.7,27.5 ; 18.4,38.4 29.3,38.4 ; 18.4,38.4 18.4,34.1 29.3,34.1 29.3,38.4 ; 18.4,38.4 29.3,38.4 ; 18.4,38.4 18.4,36.8 29.3,36.8 29.3,38.4 ; 19.4,19.6 22.7,19.6 22.7,23.3 ; 19.4,19.6 19.4,23.3 ; 19.4,19.6 13.9,19.6 13.9,23.3 19.4,23.3 ; 19.4,19.6 19.4,23.3 ; 19.4,23.3 22.7,23.3 ; 19.4,23.3 19.4,21.45 22.7,21.45 22.7,23.3 ; 19.4,23.3 22.7,23.3 ; 28.765,7.9 28.8,7.9 ; 28.765,7.9 28.8,7.9 ; 28.8,7.9 29.3,7.4 29.3,8.4 28.8,7.9 ; 1.7,0.5 3.2,0.5 3.2,3.5 1.7,3.5 1.7,0.5 ; 15,0.7 16.8,0.7 16.8,3.5 15,3.5 15,0.7
  text "MERCI PROJECT" at 18.75,37.15 h0.89
  text "sensor board v0.1" at 18.85,35.75 h0.85
  text "ultralyj 2023/1/1" at 18.85,34.517 h0.8
  text "t/d" at 14.323,25.15 h0.89 r90
  text "2" at 14.35,23.65 h1
  text "3" at 16.95,23.65 h1
  text "1" at 18.35,23.65 h1
  text "0" at 15.58,23.649 h1
  text "iic" at 7.25,23.565 h0.89 r90
  text "drdy" at 19.75,22.146 h0.89
  text "trig" at 19.713,20.079 h0.89
  text "res" at 29.65,5.45 h0.89 r90
  text "gnd" at 17.238,3.6 h0.89
  text "rxd" at 9.05,3.55 h0.89
  text "3.3v" at 11.45,3.55 h0.89
  text "clk" at 20.15,3.55 h0.89
  text "dio" at 22.65,3.55 h0.89
  text "gnd" at 3.95,3.446 h0.89
  text "txd" at 6.55,3.45 h0.89
  text "jtag" at 16.204,1 h0.89 r90
  text "port" at 2.752,0.77 h0.89 r90
Bottom Overlay:
  text "3.3v" at 21.95,30.65 h0.89
  text "scl" at 6.05,30.15 h0.89
  text "gnd" at 24.15,29.946 h0.89
  text "sda" at 8.85,29.05 h0.89